# KiCad board cpu-blitter-inputs.kicad_pcb (continued)
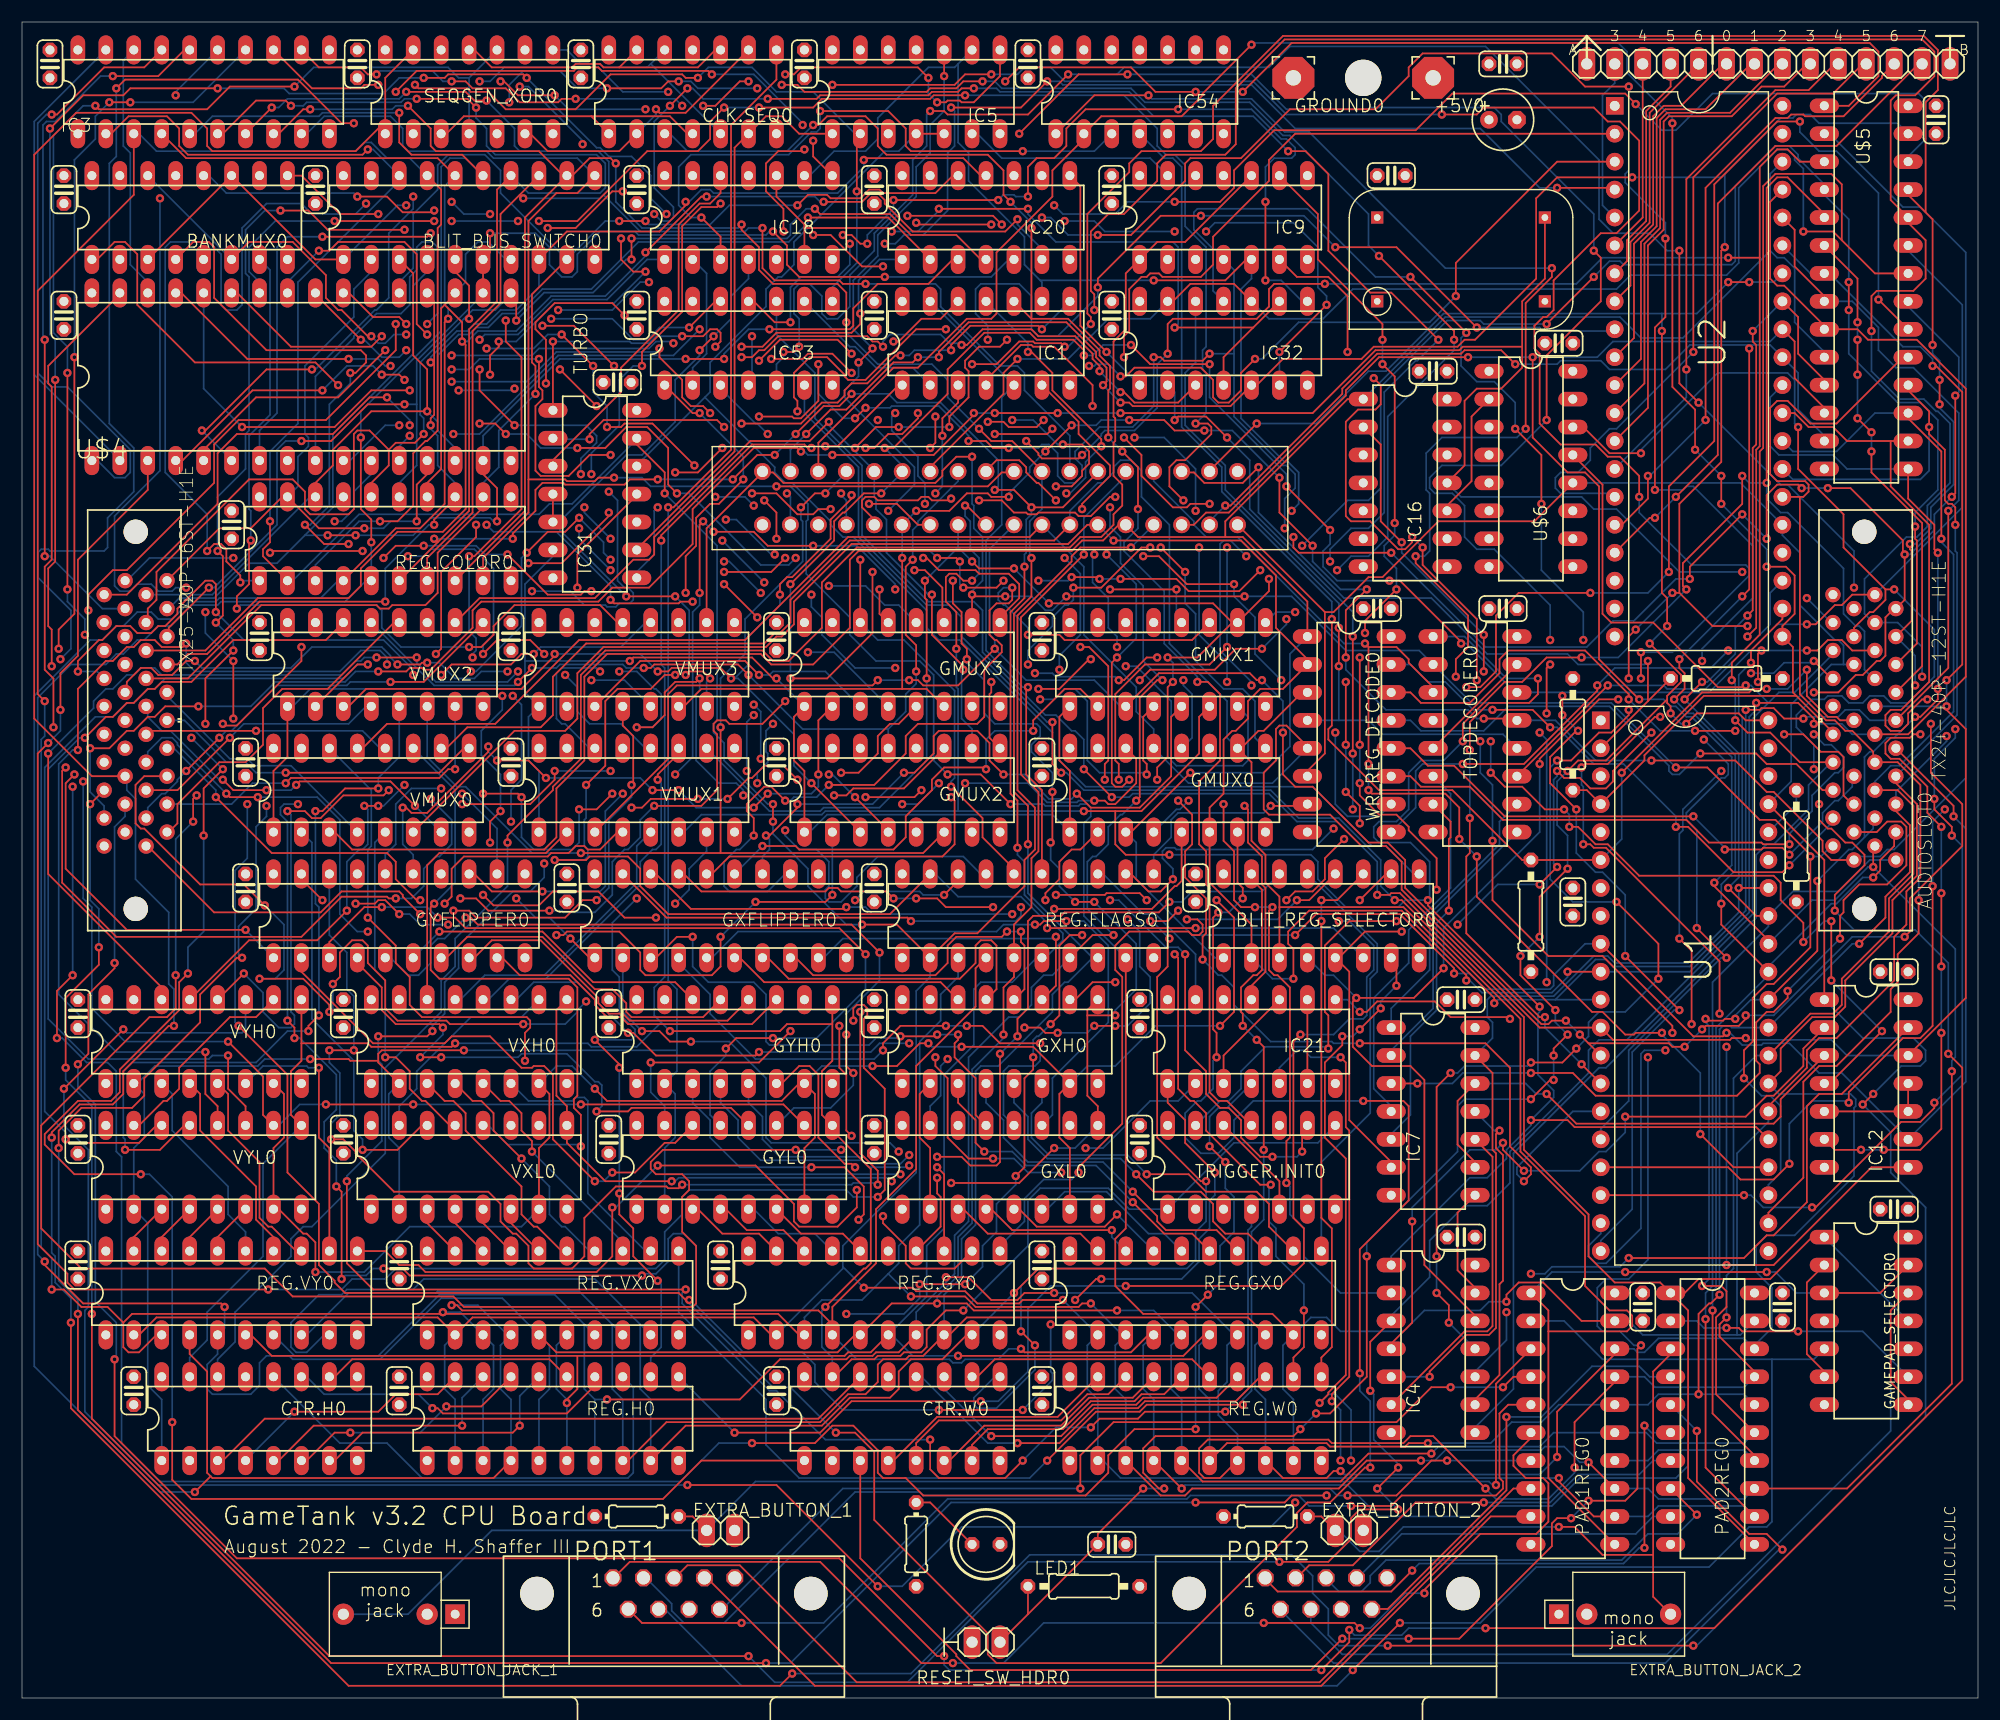
[diagram p0: board, top side]
## Routing (per net, layer and track width the routed paths; a pad name or vN(x,y) marks a point on that pad's centre or on a via; arc(x,y) is an arc through that point) (continued)
N$11: length 79.1
  Top w0.152: v1(53.5,113.03) 51.59,113.03 49.69,111.12 47.15,111.12 46.67,111.6 46.67,117.47 47.31,118.11 47.31,118.9 46.99,119.22 v1(46.99,121.76) ; U$4.23 29.21,127.63 29.84,127.63 31.91,125.57 34.29,125.57 v1(34.92,124.94)
  In1.Cu w0.152: v1(67.47,101.44) 67.47,101.12 68.26,100.33 68.26,99.69 70.17,97.79 70.17,97.47 GMUX2.12 ; v1(39.05,120.81) v1(34.92,124.94)
  In2.Cu w0.152: v1(63.66,105.25) 62.71,105.25 59.05,108.9 58.1,108.9 56.52,110.49 56.04,110.49 v1(53.5,113.03)
  Bottom w0.152: v1(46.99,121.76) 41.59,121.76 40.64,120.81 v1(39.05,120.81) ; v1(67.47,101.44) v1(63.66,105.25)
N$12: length 83.5
  Top w0.152: v1(41.59,120.81) 41.59,118.9 v1(44.77,115.73) ; v1(36.83,123.98) 35.88,124.94 35.88,131.29 34.77,132.4 28.73,132.4 27.94,131.6 v1(26.99,131.6) ; v1(66.83,98.27) v1(63.82,101.28)
  In1.Cu w0.152: v1(41.59,120.81) 38.42,123.98 v1(36.83,123.98) ; v1(50.8,111.28) 53.97,108.11 56.99,108.11 v1(63.82,101.28)
  In2.Cu w0.152: v1(66.83,98.27) 68.26,96.84 69.69,96.84 v1(71.44,95.09)
  Bottom w0.152: v1(50.8,111.28) 50.8,112.71 52.23,114.14 52.23,114.78 51.28,115.73 v1(44.77,115.73) ; GMUX3.4 73.82,95.09 v1(71.44,95.09) ; v1(26.99,131.6) 24.13,128.75 U$4.25
N$13: length 97.9
  Top w0.152: U$4.4 13.97,112.55 14.61,112.55 20.95,118.9 v1(27.3,118.9) ; v1(34.77,119.86) 34.29,120.33 v1(32.7,120.33) ; v1(51.91,121.13) v1(49.05,123.98) ; v1(61.12,112.08) 57.31,115.89 54.77,115.89 54.45,115.57 v1(53.18,115.57)
  In2.Cu w0.152: v1(79.38,93.66) 80.65,93.66 80.96,93.98 82.55,93.98 GMUX3.7 ; v1(42.23,122.71) 40.96,121.44 38.58,121.44 36.99,119.86 v1(34.77,119.86) ; v1(71.75,100.33) 70.17,101.92 69.53,101.92 66.2,105.25 66.2,107 v1(61.12,112.08)
  Bottom w0.152: v1(51.91,121.13) 51.91,118.75 53.18,117.47 v1(53.18,115.57) ; v1(79.38,93.66) 75.72,93.66 72.71,96.68 72.71,98.27 71.75,99.22 v1(71.75,100.33) ; v1(42.23,122.71) 46.51,122.71 47.78,123.98 v1(49.05,123.98) ; v1(27.3,118.9) 29.53,121.13 31.91,121.13 v1(32.7,120.33)
N$14: length 102.2
  Top w0.152: v1(62.55,116.84) 61.91,117.47 60.8,117.47 60.01,118.27 60.01,119.86 57.94,121.92 v1(57.94,122.71) ; v1(81.91,103.66) 82.23,103.66 83.34,102.55 86.68,102.55 87,102.23 89.69,102.23 90.65,101.28 90.65,100.01 88.9,98.27 GMUX3.9 ; v1(35.24,118.9) 31.75,118.9 28.42,115.57 v1(20,115.57)
  In2.Cu w0.152: v1(39.05,119.7) 37.31,119.7 36.51,118.9 v1(35.24,118.9) ; v1(62.55,116.84) 63.5,116.84 68.74,111.6 68.74,111.12 69.69,110.17 70.33,110.17 73.82,106.68 73.82,106.36 75.88,104.3 81.28,104.3 v1(81.91,103.66)
  Bottom w0.152: v1(57.94,122.71) 57.63,122.4 48.58,122.4 45.88,119.7 v1(39.05,119.7) ; U$4.28 16.51,119.06 v1(20,115.57)
N$15: length 80.5
  Top w0.152: v1(56.36,121.13) 56.36,122.4 60.01,126.05 60.01,133.83 61.75,135.57 63.18,135.57 v1(63.5,135.89)
  In1.Cu w0.152: IC18.11 v1(63.5,135.89)
  In2.Cu w0.152: v1(46.36,100.65) 47.94,99.06 47.94,97.95 v1(52.55,93.34) ; v1(51.75,111.28) v1(53.34,109.7)
  Bottom w0.152: v1(52.55,93.34) 52.23,93.66 49.05,93.66 48.58,93.19 48.58,89.06 49.05,88.58 49.37,88.58 51.59,86.36 VMUX1.14 ; v1(46.36,100.65) 49.85,100.65 51.12,99.38 53.02,99.38 53.18,99.22 53.97,99.22 54.29,99.54 55.25,99.54 55.56,99.85 55.56,100.49 55.09,100.96 54.77,100.96 54.13,101.6 54.13,108.9 v1(53.34,109.7) ; v1(56.36,121.13) 55.56,121.13 54.29,119.86 54.29,115.73 51.75,113.19 v1(51.75,111.28)
N$16: length 74.6
  Top w0.152: v1(60.01,123.82) 61.91,123.82 62.55,124.46 63.18,124.46 63.5,124.14 63.5,123.35 v1(63.02,122.87) ; IC32.3 105.09,117.79 101.12,117.79 100.17,118.75 v1(99.85,118.75) ; v1(48.26,123.35) IC31.1 ; v1(65.41,121.92) 66.36,121.92 66.99,122.55 67.47,122.55 68.74,123.82 76.84,123.82 77.31,123.35 77.79,123.35 v1(78.26,122.87) ; v1(97.95,120.65) 97.95,121.13 97.31,121.76 97.31,122.24 95.73,123.82 92.39,123.82 91.76,124.46 87.31,124.46 85.88,123.03 v1(85.41,123.03)
  In1.Cu w0.152: v1(63.02,122.87) 64.45,122.87 v1(65.41,121.92)
  Bottom w0.152: v1(48.26,123.35) 55.25,123.35 55.4,123.19 56.99,123.19 57.63,123.82 v1(60.01,123.82) ; v1(99.85,118.75) v1(97.95,120.65) ; v1(78.26,122.87) 78.26,123.35 78.9,123.98 83.5,123.98 84.3,123.19 85.25,123.19 v1(85.41,123.03)
N$17: length 110.8
  Top w0.152: v1(66.99,121.6) 68.9,123.51 74.14,123.51 v1(75.41,122.24) ; v1(104.93,100.81) v1(98.9,100.81) ; U$4.29 13.97,127.63 14.61,127.63 20.48,121.76 v1(29.69,121.76)
  In1.Cu w0.152: v1(98.9,100.81) 97.95,100.81 96.2,102.55 94.93,102.55 91.6,105.89 91.6,106.68 90.49,107.79 89.53,107.79 86.52,110.81 86.52,111.6 85.25,112.87 84.45,112.87 79.06,118.27 79.06,119.38 76.2,122.24 v1(75.41,122.24) ; v1(66.99,121.6) 66.52,121.13 62.07,121.13 60.01,123.19 v1(59.21,123.19)
  In2.Cu w0.152: v1(33.5,121.13) 35.88,121.13 36.83,122.08 v1(39.05,122.08)
  Bottom w0.152: GMUX1.12 104.93,98.27 v1(104.93,100.81) ; v1(59.21,123.19) 59.05,123.35 57.63,123.35 56.99,122.71 46.99,122.71 46.36,122.08 v1(39.05,122.08) ; v1(33.5,121.13) 33.02,121.13 32.38,121.76 v1(29.69,121.76)
N$18: length 71.7
  Top w0.152: U$4.24 26.67,127.63 v1(30.8,123.51) ; v1(50.48,113.66) 53.02,113.66 54.93,115.57 56.83,115.57 58.74,113.66 58.74,110.33 v1(59.53,109.54) ; v1(43.97,114.93) 43.02,115.89 v1(41.59,115.89)
  In1.Cu w0.152: v1(41.59,115.89) v1(34.92,122.55)
  In2.Cu w0.152: v1(73.34,101.12) 70.8,103.66 v1(70.33,103.66)
  Bottom w0.152: GMUX3.12 79.69,99.38 78.42,99.38 76.68,101.12 v1(73.34,101.12) ; v1(50.48,113.66) 47.15,113.66 45.88,114.93 v1(43.97,114.93) ; v1(59.53,109.54) 60.64,109.54 67.15,103.03 69.69,103.03 v1(70.33,103.66) ; v1(34.92,122.55) 34.29,121.92 32.7,121.92 31.11,123.51 v1(30.8,123.51)
N$19: length 9.2
  Top w0.152: REG.GY0.19 66.99,42.23 63.66,42.23 61.44,44.45 GYL0.3
N$20: length 9.2
  Top w0.152: GYL0.4 63.98,44.45 65.88,42.54 69.22,42.54 REG.GY0.18
N$21: length 9.2
  Bottom w0.152: REG.GY0.17 72.07,42.23 68.74,42.23 66.52,44.45 GYL0.5
N$22: length 9.2
  Top w0.152: GYL0.6 70.8,42.23 74.61,42.23 REG.GY0.16
N$23: length 31.4
  Top w0.152: GXH0.3 85.09,54.13 86.68,52.55 86.68,50.48 v1(87.47,49.69) ; REG.GX0.15 106.36,42.23 103.82,42.23 v1(100.97,45.09)
  Bottom w0.152: v1(87.47,49.69) 90.01,49.69 91.28,48.42 97.63,48.42 v1(100.97,45.09)
N$24: length 31.4
  Top w0.152: v1(100.97,46.04) 103.19,43.81 103.19,43.34 103.98,42.54 108.59,42.54 REG.GX0.14
  Bottom w0.152: v1(100.97,46.04) 98.27,48.74 91.44,48.74 89.22,50.96 89.22,52.55 87.63,54.13 GXH0.4
N$25: length 32.3
  Top w0.152: v1(101.28,47.62) 102.87,46.04 107.16,46.04 108.27,44.93 108.27,43.34 109.38,42.23 111.44,42.23 REG.GX0.13
  Bottom w0.152: GXH0.5 90.17,54.13 91.44,52.86 91.44,50.8 93.19,49.05 99.85,49.05 v1(101.28,47.62)
N$26: length 28.6
  Top w0.152: v1(71.75,48.26) 74.77,48.26 76.52,46.51 76.52,43.97 v1(76.04,43.5)
  In1.Cu w0.152: v1(76.04,43.5) 78.74,40.8 REG.GY0.15
  Bottom w0.152: GYH0.3 60.96,54.13 62.55,52.55 62.55,50.96 65.25,48.26 v1(71.75,48.26)
N$27: length 14.3
  Top w0.152: REG.GX0.19 96.2,42.23 87.79,42.23 85.57,44.45 GXL0.3
N$28: length 14.7
  Top w0.152: v1(99.06,42.54) 90.01,42.54 88.11,44.45 GXL0.4
  Bottom w0.152: v1(99.06,42.54) 99.06,41.91 REG.GX0.18
N$29: length 15.2
  Top w0.152: GXL0.5 90.65,44.45 92.23,42.86 98.43,42.86 v1(99.54,43.97)
  Bottom w0.152: REG.GX0.17 v1(99.54,43.97)
N$30: length 15.6
  Bottom w0.152: GXL0.6 93.19,44.45 94.77,46.04 98.58,46.04 102.39,42.23 103.82,42.23 REG.GX0.16
N$31: length 33
  Top w0.152: REG.GY0.14 83.5,42.86 83.5,45.56 83.19,45.88 v1(83.19,47.31)
  In1.Cu w0.152: v1(83.19,47.31) 82.07,48.42 v1(80.65,48.42)
  Bottom w0.152: GYH0.4 63.5,54.13 65.09,52.55 65.09,50.96 67.15,48.89 76.36,48.89 76.99,48.26 80.49,48.26 v1(80.65,48.42)
N$32: length 31.1
  Top w0.152: REG.GY0.13 83.82,47.62 v1(83.19,48.26)
  In1.Cu w0.152: v1(80.65,49.37) 82.07,49.37 v1(83.19,48.26)
  Bottom w0.152: GYH0.5 66.04,54.13 67.31,52.86 67.31,50.8 68.9,49.21 76.52,49.21 77.15,48.58 79.85,48.58 v1(80.65,49.37)
N$33: length 56.1
  Top w0.152: v1(90.96,140.65) 80.8,140.65 80.33,141.13 80.33,142.72 78.74,144.3 v1(72.55,144.3) ; v1(61.75,134.62) 63.5,132.87 IC18.3
  Bottom w0.152: IC54.3 97.47,140.65 v1(90.96,140.65) ; v1(72.55,144.3) 72.55,142.72 72.23,142.4 71.75,142.4 69.69,140.33 60.8,140.33 59.69,139.22 59.69,135.73 60.8,134.62 v1(61.75,134.62)
N$34: length 248.6
  Top w0.152: IC12.8 168.12,48.26 159.23,39.37 v1(154.94,39.37) ; v1(69.85,125.09) 68.42,125.09 66.52,127 IC53.11 ; v1(97.79,133.03) 100.81,133.03 105.73,137.95 105.73,139.54 106.2,140.02 110.81,140.02 115.25,144.46 123.03,144.46 126.05,147.48 126.05,148.27 127.32,149.54 139.06,149.54 142.08,146.53 v1(146.05,146.53) ; v1(148.43,109.85) 148.43,124.62 149.38,125.57 v1(149.38,132.72) ; v1(80.49,134.78) 88.26,134.78 v1(89.06,133.98) ; v1(141.92,77.63) 142.56,77.63 142.88,77.31 143.99,77.31 154.31,66.99 v1(154.31,62.23) ; v1(141.76,84.61) 142.08,84.93 144.15,84.93 148.43,89.22 v1(148.91,89.22)
  In1.Cu w0.152: v1(80.49,134.78) 78.42,134.78 75.88,132.24 v1(75.25,132.24) ; v1(148.91,89.22) 148.91,90.49 v1(152.72,94.3)
  In2.Cu w0.152: v1(92.71,134.62) 91.76,134.62 90.96,133.83 90.17,133.83 90.01,133.98 v1(89.06,133.98) ; v1(154.31,62.23) 154.31,59.85 v1(154.94,59.21)
  Bottom w0.152: v1(146.05,146.53) 146.05,138.91 145.73,138.59 145.73,137.79 149.38,134.14 v1(149.38,132.72) ; v1(141.76,84.61) 141.76,83.03 141.92,82.87 v1(141.92,77.63) ; v1(152.72,94.3) 152.72,95.41 157.32,100.01 157.32,104.77 151.92,110.17 151.29,110.17 150.97,109.85 v1(148.43,109.85) ; v1(75.25,132.24) 75.25,130.33 74.14,129.22 70.8,129.22 69.85,128.27 v1(69.85,125.09) ; v1(97.79,133.03) 95.09,133.03 93.5,134.62 v1(92.71,134.62) ; v1(154.94,39.37) v1(154.94,59.21)
N$35: length 18.4
  Bottom w0.152: VYH0.3 13.65,54.93 13.65,51.59 18.73,46.51 18.73,43.97 20.32,42.39 REG.VY0.15
N$36: length 18.4
  Top w0.152: VYH0.4 16.19,54.93 16.19,51.59 21.27,46.51 21.27,43.5 22.86,41.91 REG.VY0.14
N$37: length 18.9
  Top w0.152: VYH0.5 18.73,54.93 18.73,51.59 21.59,48.74 21.59,43.66 22.38,42.86 22.7,42.86 24.92,40.64 REG.VY0.13
N$37_2: length 33.4
  Top w0.152: v1(129.7,71.6) 129.7,78.1 129.86,78.26 129.86,79.69 TOPDECODER0.7
  Bottom w0.152: IC7.5 124.46,51.28 126.21,53.02 126.21,60.17 128.59,62.55 128.59,70.48 v1(129.7,71.6)
N$38: length 12.5
  Bottom w0.152: IC53.2 60.96,120.97 62.23,122.24 62.23,129.54 IC18.2
N$38_2: length 34.7
  Bottom w0.152: IC7.4 124.46,53.82 122.87,55.4 122.87,63.66 126.05,66.83 126.05,69.85 129.86,73.66 129.86,82.23 TOPDECODER0.6
N$39: length 53.9
  Top w0.152: v1(92.71,124.46) 92.39,124.78 86.2,124.78 84.45,123.03 v1(84.45,122.55) ; v1(65.41,115.89) 70.8,115.89 72.71,117.79 74.14,117.79 74.77,118.43 74.77,118.9 75.41,119.54 76.84,119.54 79.38,122.08 v1(79.85,122.08) ; v1(51.59,114.46) 51.59,114.93 52.86,116.2 63.18,116.2 v1(63.82,115.57)
  In1.Cu w0.152: v1(65.41,115.89) 65.09,115.57 v1(63.82,115.57)
  Bottom w0.152: IC31.2 48.26,114.46 v1(51.59,114.46) ; v1(79.85,122.08) 80.65,122.08 81.12,122.55 v1(84.45,122.55) ; IC1.8 v1(92.71,124.46)
N$39_2: length 10.8
  Top w0.152: TOPDECODER0.15 TOPDECODER0.5
N$40: length 200.4
  Top w0.152: v1(142.88,131.6) 143.51,130.97 143.51,127 138.59,122.08 v1(138.59,116.2) ; v1(138.91,93.98) 138.59,93.66 v1(138.59,89.53) ; v1(135.25,61.75) 135.1,61.91 129.86,61.91 128.43,63.34 123.19,63.34 122.24,62.39 v1(121.6,62.39) ; v1(100.49,147.64) 96.04,147.64 v1(90.65,142.24)
  In1.Cu w0.152: v1(138.59,89.53) 137.95,88.9 v1(137.95,87.79) ; IC18.13 62.23,139.7 70.96,139.7 71.75,140.49 88.9,140.49 v1(90.65,142.24)
  In2.Cu w0.152: v1(138.59,65.09) v1(135.25,61.75) ; v1(138.91,96.2) v1(138.91,93.98)
  Bottom w0.152: v1(137.95,87.79) 138.59,87.15 v1(138.59,65.09) ; v1(138.91,96.2) 138.91,99.38 133.83,104.46 132.24,104.46 131.13,105.57 131.13,108.43 130.02,109.54 128.43,109.54 127.95,110.01 127.95,110.97 129.06,112.08 134.46,112.08 v1(138.59,116.2) ; IC21.8 120.49,63.5 v1(121.6,62.39) ; v1(100.49,147.64) 111.76,147.64 114.94,144.46 122.4,144.46 122.56,144.62 133.83,144.62 134.46,143.99 134.46,143.35 142.88,134.94 v1(142.88,131.6)
N$41: length 141.1
  Top w0.152: v1(82.39,147.32) 81.44,148.27 70.8,148.27 70.17,147.64 v1(69.37,147.64) ; v1(19.84,101.44) 19.84,102.08 18.57,103.35 18.57,104.46 18.1,104.93 17.46,104.93 v1(16.83,104.3) ; v1(61.91,144.78) 63.02,144.78 65.25,147 v1(66.04,147) ; v1(83.19,145.1) 83.98,145.1 84.14,145.26 85.25,145.26 85.41,145.1 86.52,145.1 88.9,147.48 IC5.8
  In1.Cu w0.152: v1(61.91,144.78) 61.12,144.78 59.85,146.05 v1(58.74,146.05) ; v1(69.37,147.64) 69.06,147.64 68.42,147 v1(66.04,147)
  In2.Cu w0.152: v1(41.59,147) 31.27,136.68 v1(31.27,135.89)
  Bottom w0.152: v1(19.84,101.44) 20,101.6 REG.COLOR0.1 ; v1(41.59,147) 42.55,147 43.81,148.27 52.39,148.27 54.61,146.05 v1(58.74,146.05) ; v1(31.27,135.89) 30.32,134.94 26.35,134.94 25.4,135.89 22.22,135.89 20,133.67 20,126.68 19.53,126.21 18.57,126.21 18.1,126.68 18.1,131.29 16.99,132.4 13.49,132.4 13.02,131.92 13.02,111.44 16.83,107.63 v1(16.83,104.3) ; v1(83.19,145.1) 82.39,145.89 v1(82.39,147.32)
N$42: length 57.7
  Top w0.152: v1(94.93,70.64) 92.87,70.64 92.55,70.33 v1(92.07,70.33)
  Bottom w0.152: GXL0.11 93.66,53.02 93.66,56.36 98.74,61.44 98.74,68.42 96.52,70.64 v1(94.93,70.64) ; GXFLIPPER0.5 62.71,67.31 65.09,69.69 88.58,69.69 89.22,70.33 v1(92.07,70.33)
N$43: length 50.9
  Top w0.152: v1(83.98,61.12) 79.85,61.12 78.26,59.53 v1(78.26,58.9) ; v1(92.55,59.53) 88.9,59.53 87.31,61.12 v1(85.88,61.12)
  Bottom w0.152: v1(85.88,61.12) v1(83.98,61.12) ; GXL0.12 89.22,53.02 89.22,56.99 89.69,57.47 92.07,57.47 92.55,57.94 v1(92.55,59.53) ; v1(78.26,58.9) 77.47,58.1 66.67,58.1 62.55,62.23 62.55,63.98 59.69,66.83 GXFLIPPER0.4
N$44: length 7.6
  Top w0.152: IC21.9 IC21.6
N$45: length 9.7
  Top w0.152: IC21.10 109.22,58.42 IC21.3
N$46: length 33.3
  Top w0.152: IC31.3 48.26,112.55 54.45,118.75 54.45,120.97 59.69,126.21 59.69,133.98 61.59,135.89 62.55,135.89 63.5,136.84 IC18.12
N$47: length 46.9
  Top w0.152: v1(79.85,60.17) 83.03,60.17 v1(83.19,60.32) ; GXL0.13 86.68,53.02 86.68,56.36 84.77,58.26 84.77,59.53 85.09,59.85 v1(85.09,60.32) ; GXFLIPPER0.3 57.63,67.31 59.53,69.21 v1(60.96,69.21)
  Bottom w0.152: v1(79.85,60.17) 79.69,60.01 77.63,60.01 76.99,59.37 67.94,59.37 67.63,59.69 67.63,63.98 66.52,65.09 62.39,65.09 60.96,66.52 v1(60.96,69.21) ; v1(85.09,60.32) v1(83.19,60.32)
N$48: length 44.8
  Top w0.152: v1(56.36,60.64) 57.94,60.64 58.9,59.69 v1(60.8,59.69)
  In1.Cu w0.152: GXL0.14 83.82,50.8 81.12,50.8 80.01,49.69 v1(79.69,49.69)
  Bottom w0.152: GXFLIPPER0.2 54.61,62.39 v1(56.36,60.64) ; v1(79.69,49.69) 78.9,50.48 68.1,50.48 67.63,50.96 67.63,56.36 64.29,59.69 v1(60.8,59.69)
N$49: length 21.9
  Top w0.152: GXH0.14 83.5,65.09 67.47,65.09 65.25,67.31 GXFLIPPER0.6
N$50: length 89.5
  Top w0.152: v1(25.72,106.68) 27.46,104.93 v1(29.69,104.93) ; BANKMUX0.4 15.56,132.4 16.99,132.4 17.46,131.92 17.46,127.32 22.22,122.55 30.8,122.55 31.27,122.08 31.27,121.44 30.32,120.49 v1(29.84,120.49) ; v1(41.91,94.93) 43.18,96.2 46.2,96.2 v1(47.47,94.93)
  In1.Cu w0.152: v1(29.69,104.93) 30.48,104.93 31.27,105.73 33.18,105.73 v1(35.08,103.82) ; VMUX1.13 47.47,93.5 v1(47.47,94.93)
  Bottom w0.152: v1(29.84,120.49) 29.84,119.54 27.94,117.63 27.94,108.43 26.19,106.68 v1(25.72,106.68) ; v1(41.91,94.93) 41.91,95.73 42.86,96.68 42.86,102.71 41.12,104.46 37.15,104.46 36.51,103.82 v1(35.08,103.82)
N$51: length 22.2
  Top w0.152: v1(24.77,26.03) 32.38,26.03 33.97,27.62 37.78,27.62 REG.H0.19
  Bottom w0.152: v1(24.77,26.03) CTR.H0.4
N$52: length 23.7
  Top w0.152: CTR.H0.5 23.34,21.59 26.51,24.76 v1(40,24.76)
  Bottom w0.152: v1(40,24.76) 40,27.31 REG.H0.18
N$53: length 22.2
  Top w0.152: CTR.H0.6 25.88,21.59 28.42,24.13 v1(29.84,24.13) ; REG.H0.17 41.75,26.51 v1(38.58,26.51)
  Bottom w0.152: v1(29.84,24.13) 36.19,24.13 v1(38.58,26.51)
N$54: length 23.8
  Top w0.152: CTR.H0.7 28.42,21.59 30.96,24.13 44.61,24.13 v1(45.24,24.76)
  Bottom w0.152: v1(45.24,24.76) 45.24,27.46 REG.H0.16
N$55: length 22.9
  Top w0.152: REG.H0.15 47.94,30.8 30,30.8 28.42,29.21 CTR.H0.10
N$56: length 29.9
  Top w0.152: REG.H0.14 52.07,28.42 49.53,25.88 38.26,25.88 37.78,26.35 v1(37.31,26.35)
  Bottom w0.152: v1(37.31,26.35) 36.04,27.62 27.46,27.62 25.88,29.21 CTR.H0.11
N$57: length 45.8
  Bottom w0.152: REG.H0.13 55.56,28.26 55.56,20.48 55.09,20 36.35,20 33.18,23.18 28.89,23.18 CTR.H0.12
N$58: length 95.8
  Top w0.152: v1(113.66,49.21) 112.55,49.21 110.81,50.96 110.81,52.55 109.7,53.66 108.9,53.66 107.63,54.93 107.63,56.99 105.73,58.9 v1(105.73,67.63) ; TRIGGER.INIT0.9 116.36,51.59 v1(116.36,49.69)
  In2.Cu w0.152: v1(63.82,103.35) 60.33,106.84 55.88,106.84 IC31.10 ; v1(67.15,100.49) 80.01,87.63 80.01,85.41 85.25,80.17 90.17,80.17 94.46,75.88 95.57,75.88 v1(98.9,72.55)
  Bottom w0.152: v1(98.9,72.55) 99.69,72.55 103.98,68.26 105.09,68.26 v1(105.73,67.63) ; v1(113.66,49.21) 115.89,49.21 v1(116.36,49.69) ; v1(67.15,100.49) 64.29,103.35 v1(63.82,103.35)
N$59: length 22.2
  Top w0.152: REG.W0.19 94.14,25.56 83.19,25.56 79.22,21.59 CTR.W0.4
N$60: length 23.1
  Top w0.152: CTR.W0.5 81.28,23.18 83.34,25.24 94.46,25.24 96.84,27.62 98.74,27.62 REG.W0.18
N$61: length 22.2
  Top w0.152: CTR.W0.6 84.3,21.59 87.47,24.76 94.46,24.76 97,27.31 100.97,27.31 REG.W0.17
N$62: length 23
  Top w0.152: REG.W0.16 103.82,27.62 101.76,27.62 101.12,26.99 97.16,26.99 94.62,24.45 87.79,24.45 86.36,23.02 CTR.W0.7
N$63: length 22.9
  Top w0.152: CTR.W0.10 86.84,29.21 88.42,30.8 106.36,30.8 REG.W0.15
N$64: length 31.8
  Top w0.152: v1(88.11,23.81) 94.46,23.81 97.31,26.67 101.28,26.67 101.92,27.31 108.59,27.31 REG.W0.14
  Bottom w0.152: CTR.W0.11 83.82,28.1 v1(88.11,23.81)
N$65: length 36.7
  Top w0.152: REG.W0.13 112.55,29.21 110.33,26.99 102.08,26.99 101.44,26.35 97.47,26.35 94.3,23.18 v1(90.49,23.18)
  Bottom w0.152: CTR.W0.12 81.76,29.21 87.79,23.18 v1(90.49,23.18)
N$66: length 21.7
  Top w0.152: v1(98.58,122.4) 96.2,124.78 96.2,137.48 IC20.8
  Bottom w0.152: v1(98.58,122.4) IC32.1
N$67: length 73.9
  Top w0.152: v1(19.53,99.06) 19.53,100.17 20.64,101.28 20.64,105.09 v1(20.8,105.25) ; VMUX3.13 54.13,97.79 52.55,99.38 44.77,99.38 42.86,97.47 42.86,96.68 41.75,95.57 v1(40.64,95.57)
  Bottom w0.152: v1(19.53,99.06) 19.84,99.38 32.23,99.38 32.7,98.9 32.7,97.31 34.45,95.57 v1(40.64,95.57) ; v1(20.8,105.25) 20.8,107.95 20.64,108.11 20.64,114.78 22.54,116.68 22.54,129.86 BANKMUX0.7
N$68: length 30
  Top w0.152: GXFLIPPER0.7 67.79,67.31 69.69,65.41 85.25,65.41 86.68,66.83 86.68,68.42 87.15,68.9 88.11,68.9 88.58,68.42 88.58,64.45 GXH0.13
N$69: length 102
  Top w0.152: v1(52.23,117.47) v1(48.89,120.81) ; v1(92.39,91.76) 94.3,91.76 97,94.46 v1(97.16,94.46) ; BANKMUX0.9 25.4,138.43 28.89,134.94 v1(32.38,134.94)
  In1.Cu w0.152: v1(68.42,103.98) 68.74,103.98 69.06,104.3 71.44,104.3 76.99,98.74 79.06,98.74 86.36,91.44 90.96,91.44 91.12,91.28 91.92,91.28 v1(92.39,91.76) ; v1(32.38,134.94) 35.56,131.76 37.15,131.76 40.96,127.95 40.96,127.32 44.29,123.98 45.72,123.98 v1(48.89,120.81) ; v1(52.23,117.47) 53.66,117.47 55.56,115.57 56.2,115.57 62.39,109.38 62.39,108.74 v1(63.98,107.16)
  In2.Cu w0.152: v1(97.16,94.46) 97.47,94.46 99.54,96.52 101.6,96.52 GMUX1.13
  Bottom w0.152: v1(63.98,107.16) 64.93,107.16 68.1,103.98 v1(68.42,103.98)
N$70: length 83.6
  Top w0.152: v1(37.47,135.25) 37.31,135.1 34.61,135.1 33.18,136.52 v1(30.48,136.52) ; v1(66.36,109.54) 68.58,109.54 70.48,107.63 71.91,107.63 72.39,108.11 v1(73.5,108.11) ; GMUX3.13 77.95,98.58 v1(77.95,100.81)
  In1.Cu w0.152: v1(73.5,108.11) 73.5,105.25 v1(77.95,100.81) ; v1(66.36,109.54) 66.36,110.97 65.88,111.44 64.93,111.44 49.53,126.84 47.15,126.84 43.5,130.49 43.5,130.81 39.05,135.25 v1(37.47,135.25)
  Bottom w0.152: v1(30.48,136.52) 30.16,136.84 18.57,136.84 16.99,138.43 BANKMUX0.12
N$71: length 119.5
  Top w0.152: v1(112.87,49.85) 112.87,59.21 v1(112.24,59.85) ; v1(93.19,21.59) 97.63,26.03 101.6,26.03 102.23,26.67 v1(110.97,26.67) ; BLIT_REG_SELECTOR0.15 111.76,74.45 112.71,73.5 112.71,66.2 112.24,65.72 111.92,65.72 110.81,64.61 110.81,62.39 110.97,62.23 v1(110.97,61.12)
  Bottom w0.152: v1(110.97,61.12) v1(112.24,59.85) ; v1(93.19,21.59) 91.6,20 70.64,20 67.63,23.02 67.63,27.15 59.69,35.08 REG.VX0.11 ; v1(112.87,49.85) 112.87,43.5 111.76,42.39 111.76,27.94 110.97,27.15 v1(110.97,26.67)
N$72: length 30.9
  Top w0.152: v1(89.53,69.69) 89.06,69.21 84.93,69.21 84.14,68.42 84.14,66.83 83.03,65.72 71.91,65.72 70.33,67.31 GXFLIPPER0.8 ; v1(90.81,69.69) 90.81,68.74 91.12,68.42 91.12,64.45 GXH0.12
  Bottom w0.152: v1(90.81,69.69) v1(89.53,69.69)
N$73: length 50.9
  Top w0.152: v1(53.66,47.78) 55.72,47.78 58.42,50.48 59.37,50.48 GYL0.14 ; GYFLIPPER0.2 25.4,66.04 31.91,59.53 38.42,59.53 39.05,60.17 42.55,60.17 45.4,57.31 46.36,57.31 46.51,57.47 47.47,57.47 48.26,56.67 48.26,50.8 v1(52.07,46.99)
  Bottom w0.152: v1(52.07,46.99) 52.86,46.99 v1(53.66,47.78)
N$74: length 79.3
  Top w0.152: v1(32.7,71.91) 31.11,71.91 27.94,68.74 GYFLIPPER0.3 ; v1(68.26,60.01) 64.93,60.01 v1(63.98,59.05) ; v1(37.78,70.96) 39.37,70.96 40.32,70.01 74.29,70.01 v1(76.68,67.63)
  Bottom w0.152: v1(68.26,60.01) 72.23,60.01 76.68,64.45 v1(76.68,67.63) ; GYL0.13 62.55,53.02 62.55,56.99 63.98,58.42 v1(63.98,59.05) ; v1(32.7,71.91) 36.83,71.91 v1(37.78,70.96)
N$75: length 50.5
  Top w0.152: GYL0.12 64.45,53.66 55.4,53.66 55.09,53.34 v1(52.23,53.34) ; v1(38.1,58.26) v1(36.19,58.26) ; v1(38.26,60.96) 37.94,61.28 33.97,61.28 32.7,62.55 32.7,64.61 30.48,66.83 GYFLIPPER0.4
  Bottom w0.152: v1(38.1,58.26) 45.08,58.26 45.4,58.58 49.53,58.58 52.07,56.04 52.39,56.04 52.7,55.72 52.7,53.82 v1(52.23,53.34) ; v1(38.26,60.96) 38.26,60.32 v1(36.19,58.26)
N$76: length 72.1
  Top w0.152: v1(74.93,60.32) 74.93,57.47 v1(75.56,56.83) ; v1(40.32,70.96) 40.8,70.96 41.43,70.33 75.41,70.33 v1(77.95,67.79)
  Bottom w0.152: v1(74.93,60.32) 74.93,62.23 77.95,65.25 v1(77.95,67.79) ; GYL0.11 70.17,53.66 73.5,53.66 75.56,55.72 v1(75.56,56.83) ; GYFLIPPER0.5 33.5,67.31 35.08,65.72 36.04,65.72 37.15,66.83 37.15,68.42 37.78,69.06 38.42,69.06 v1(40.32,70.96)
N$77: length 29
  Top w0.152: v1(37.94,69.69) 47.31,69.69 51.91,65.09 59.37,65.09 GYH0.14
  Bottom w0.152: v1(37.94,69.69) GYFLIPPER0.6
N$78: length 30.3
  Top w0.152: GYH0.13 61.91,61.91 55.4,61.91 54.93,62.39 54.93,63.18 53.66,64.45 52.07,64.45 47.31,69.21 40.48,69.21 38.58,67.31 GYFLIPPER0.7
N$79: length 30.2
  Top w0.152: GYFLIPPER0.8 41.12,67.31 42.7,68.9 47.15,68.9 52.39,63.66 52.39,63.18 53.34,62.23 54.61,62.23 55.25,61.59 64.13,61.59 GYH0.12
N$80: length 175.2
  Top w0.152: v1(20.32,69.85) 9.52,69.85 3.97,75.41 3.97,83.18 v1(4.76,83.98) ; v1(2.7,93.82) 2.7,97.16 2.38,97.47 2.38,102.71 3.02,103.35 v1(3.02,119.86) ; v1(45.88,147.32) 45.56,147.64 38.73,147.64 38.42,147.32 v1(36.51,147.32) ; v1(2.54,142.72) 5.56,145.73 9.21,145.73 9.84,146.37 v1(17.78,146.37)
  In1.Cu w0.152: v1(4.76,83.98) 4.76,85.57 4.29,86.04 4.29,92.23 v1(2.7,93.82)
  In2.Cu w0.152: v1(66.36,123.82) 66.36,125.41 62.23,129.54 62.23,131.29 v1(58.58,134.94)
  Bottom w0.152: IC53.4 66.36,119.7 v1(66.36,123.82) ; v1(2.54,142.72) 2.54,123.98 3.02,123.51 v1(3.02,119.86) ; v1(45.88,147.32) 52.23,140.97 52.55,140.97 53.34,140.18 55.4,140.18 57.15,138.43 57.15,136.37 v1(58.58,134.94) ; v1(17.78,146.37) 23.81,146.37 24.29,145.89 32.86,145.89 34.29,147.32 v1(36.51,147.32) ; v1(20.32,69.85) GYFLIPPER0.1
N$81: length 91.5
  Top w0.152: IC53.12 63.02,127 v1(60.64,124.62) ; v1(42.55,77.79) 42.55,79.69 v1(43.5,80.64) ; v1(40.64,103.82) 41.12,103.82 45.4,108.11 45.4,121.92 43.97,123.35 v1(43.97,125.25) ; v1(49.85,69.06) 51.59,67.31 GXFLIPPER0.1
  In1.Cu w0.152: v1(42.55,77.79) 42.55,76.83 44.93,74.45 v1(44.93,72.71)
  In2.Cu w0.152: v1(43.97,125.25) 44.61,124.62 46.2,124.62 46.99,125.41 v1(48.1,125.41) ; v1(43.66,91.12) 43.66,91.92 v1(40.96,94.61)
  Bottom w0.152: v1(44.93,72.71) 46.67,70.96 47.94,70.96 v1(49.85,69.06) ; v1(40.64,103.82) 40.64,97 41.27,96.36 41.27,95.25 40.96,94.93 v1(40.96,94.61) ; v1(43.66,91.12) 43.66,89.85 41.75,87.95 41.75,85.72 43.5,83.98 v1(43.5,80.64) ; v1(48.1,125.41) 53.66,125.41 55.56,123.51 56.83,123.51 57.94,124.62 v1(60.64,124.62)
N$82: length 191.7
  Top w0.152: v1(107.95,122.24) 107.31,121.6 103.82,121.6 103.5,121.92 v1(102.87,121.92) ; v1(86.04,114.3) 87.63,114.3 88.26,113.66 v1(89.69,113.66) ; v1(121.6,83.18) 121.6,82.07 123.35,80.33 124.94,80.33 126.05,79.22 126.05,78.9 128.59,76.36 v1(128.59,73.5) ; v1(59.37,111.44) 61.44,111.44 v1(63.66,113.66) ; v1(76.68,117.32) v1(75.72,116.36) ; v1(118.75,59.05) 118.75,62.07 118.43,62.39 118.43,68.42 120.65,70.64 v1(124.94,70.64) ; v1(121.6,94.61) v1(121.6,86.68) ; v1(66.99,116.52) 70.01,116.52 70.17,116.36 70.8,116.36 72.39,117.95 v1(72.39,121.28)
  In1.Cu w0.152: v1(124.94,70.64) 127.79,73.5 v1(128.59,73.5) ; v1(59.37,111.44) 57.78,109.85 v1(57.78,108.27) ; v1(63.66,113.66) 64.13,113.66 v1(66.99,116.52)
  In2.Cu w0.152: v1(121.6,94.61) 121.6,94.93 120.33,96.2 120.33,99.85 114.78,105.41 v1(114.78,106.36)
  Bottom w0.152: v1(89.69,113.66) 92.39,113.66 92.71,113.98 93.34,113.98 94.14,113.19 94.14,111.12 94.77,110.49 95.73,110.49 96.36,111.12 96.36,112.08 95.73,112.71 95.73,113.35 97.95,115.57 100.97,115.57 102.87,117.47 v1(102.87,121.92) ; v1(75.72,116.36) 74.61,116.36 72.39,118.59 v1(72.39,121.28) ; v1(76.68,117.32) 78.9,117.32 79.06,117.47 83.34,117.47 86.04,114.78 v1(86.04,114.3) ; TRIGGER.INIT0.13 108.9,54.29 109.7,54.29 110.81,55.4 110.81,56.99 113.03,59.21 118.59,59.21 v1(118.75,59.05) ; 110.17,122.24 v1(107.95,122.24) ; 110.17,122.24 110.17,116.52 114.62,112.08 114.94,112.08 115.73,111.28 115.73,110.01 114.78,109.06 v1(114.78,106.36) ; 110.17,122.24 110.17,129.86 IC9.4 ; IC31.8 55.88,102.39 57.47,103.98 57.47,107.95 v1(57.78,108.27) ; v1(121.6,86.68) v1(121.6,83.18)